# Altium PCB LPC4357_SDRAM_v0.2.PcbDoc (part 1 of 3) (continued)
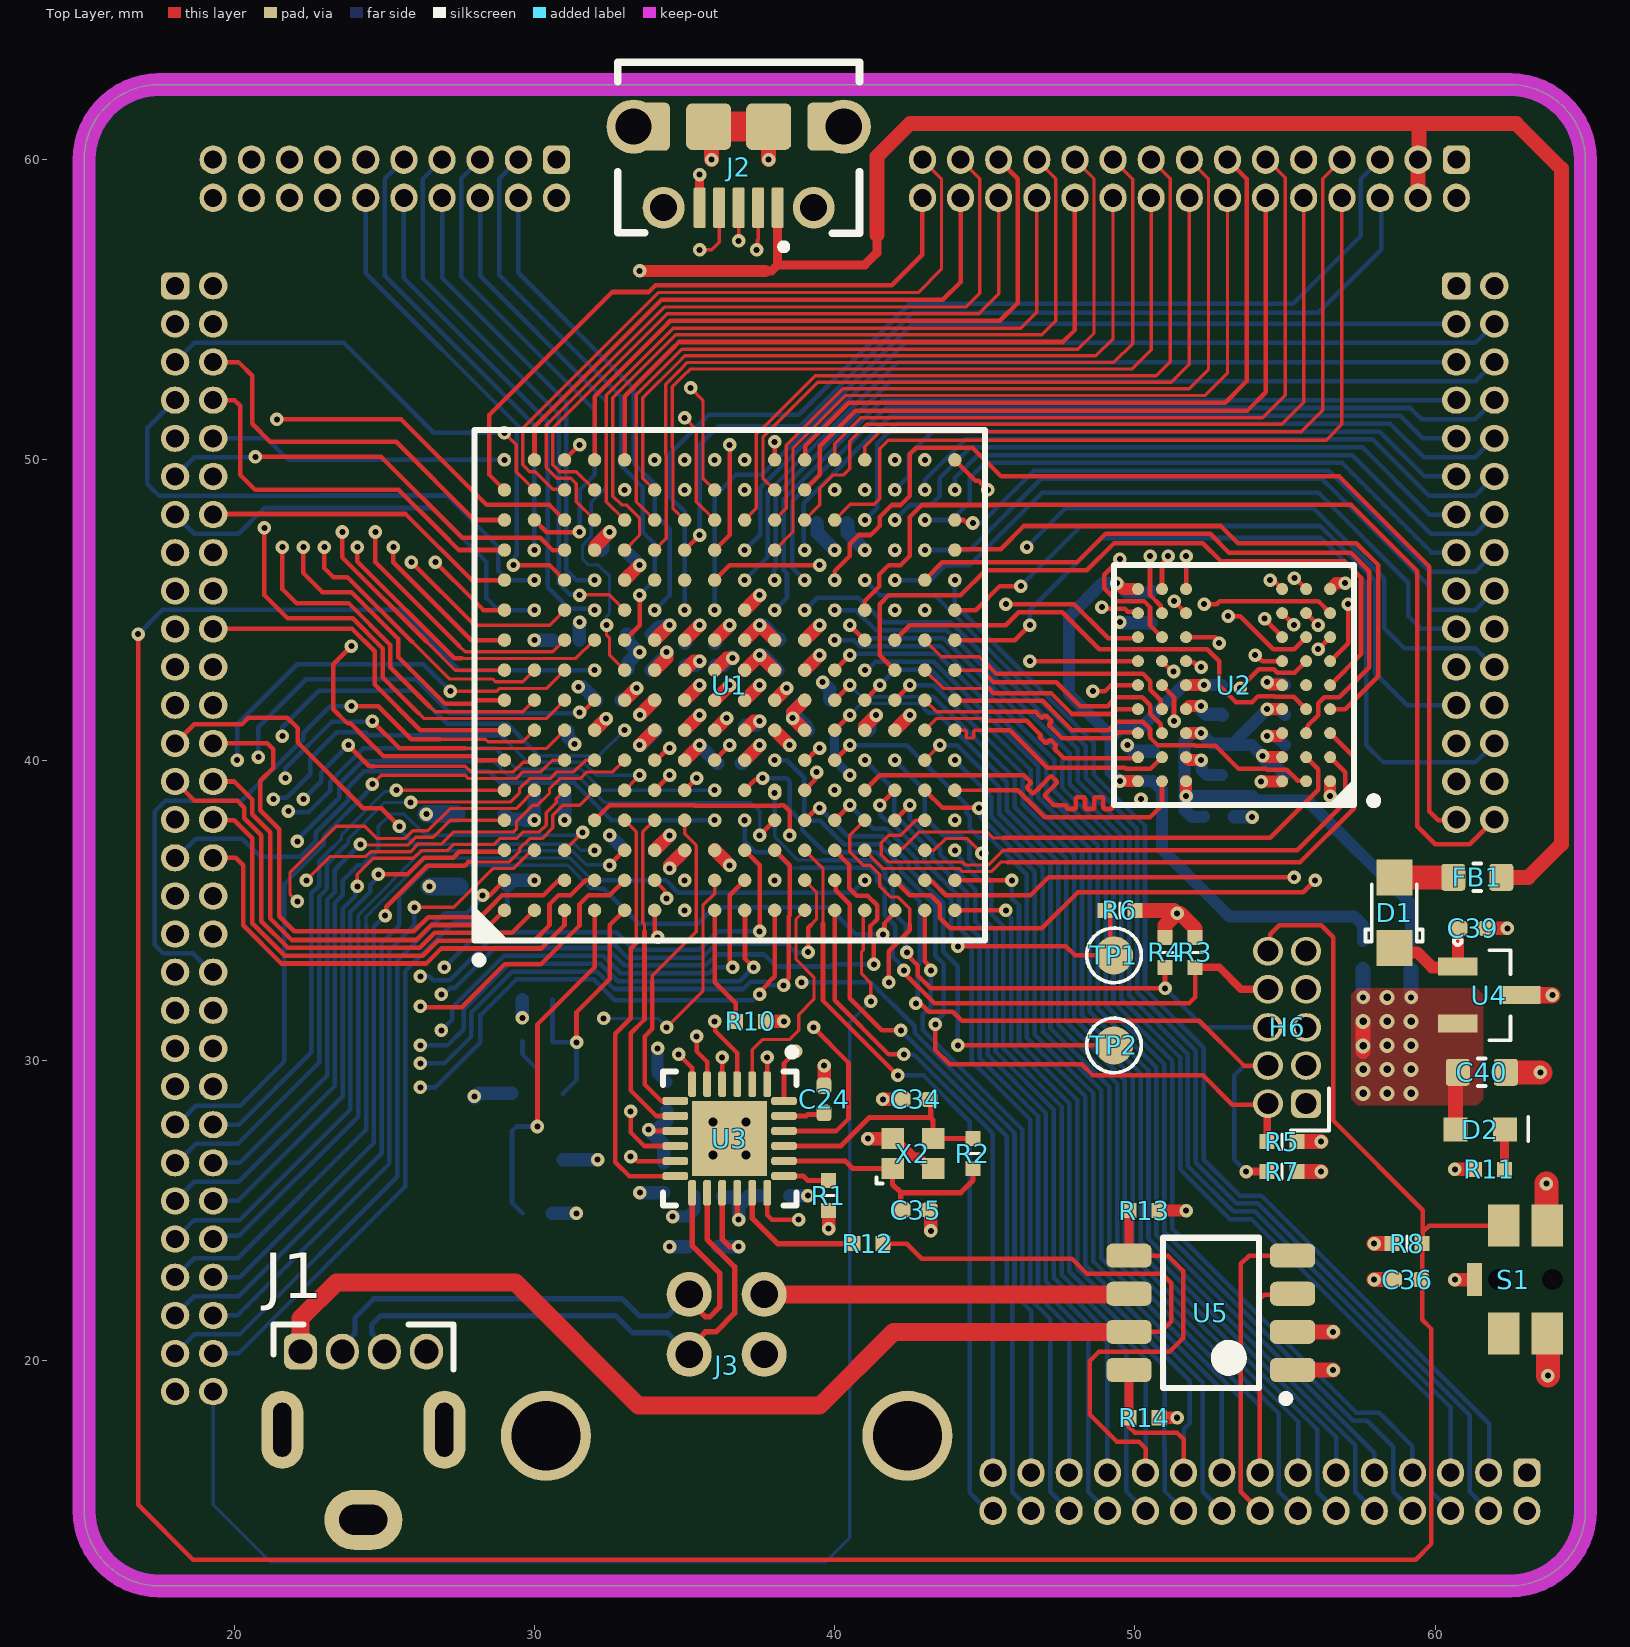
[diagram p0: Top Layer view]
## Components (designator, comment, footprint, x,y, rotation, side; value= is the part's Value field where it differs from the comment)
C1 "100n" C_0402_N 41.5,41 r0 bottom
C2 "100n" C_0402_N 32.6,47 r180 bottom
C3 "100n" C_0402_N 31.5,41 r180 bottom
C4 "100n" C_0402_N 39.9,47.9 r180 bottom
C5 "100n" C_0402_N 34.5,42 r0 bottom
C6 "100n" C_0402_N 34.5,41 r0 bottom
C7 "100n" C_0402_N 33.511,37 r180 bottom
C8 "100n" C_0402_N 35,43.5 r270 bottom
C9 "100n" C_0402_N 36,43.5 r270 bottom
C10 "100n" C_0402_N 35.5,37 r0 bottom
C11 "100n" C_0402_N 38.5,44 r180 bottom
C12 "100n" C_0402_N 38.5,43 r180 bottom
C13 "100n" C_0402_N 37,41.5 r90 bottom
C14 "100n" C_0402_N 38,41.5 r90 bottom
C15 "100n" C_0402_N 36.5,39.9 r180 bottom
C16 "100n" C_0402_N 33.5,43 r180 bottom
C17 "100n" C_0402_N 32.5,42 r180 bottom
C18 "100n" C_0402_N 39.5,42 r0 bottom
C19 "100n" C_0402_N 39.5,41 r0 bottom
C20 "100n" C_0402_N 33.5,44.2 r180 bottom
C21 "100n" C_0402_N 31.1,44 r0 bottom
C22 "100n" C_0402_N 30.5,38.8 r0 bottom
C23 "100n" C_0402_N 38,25.5 r0 bottom
C24 "1u" C_0402_N 39.643,28.7 r90 top
C25 "1u" C_0402_N 35.6,23.8 r180 bottom
C26 "100n" C_0402_N 34.3,26.1 r270 bottom
C27 "100n" C_0402_N 52.9,42 r270 bottom
C28 "100n" C_0402_N 52.9,40 r270 bottom
C29 "100n" C_0402_N 55,42 r90 bottom
C30 "100n" C_0402_N 55,40 r90 bottom
C31 "100n" C_0402_N 52.8,38.119 r0 bottom
C32 "100n" C_0402_N 50.6,39.8 r90 bottom
C33 "100n" C_0402_N 50.5,45.084 r270 bottom
C34 "18p" C_0402_N 42.703,28.7 r180 top
C35 "18p" C_0402_N 42.703,25.019 r0 top
C36 "100n" C_0402_N 59.065,22.7 r180 top
C37 "18p" C_0402_N 30.1,32.019 r180 bottom
C38 "18p" C_0402_N 30.1,24.911 r0 bottom
C39 "1u" C_0402_N 61.25,34.4 r0 top
C40 "10u" 0603x55 61.55,29.605 r0 top
D1 "PMEG2015EH" SOD123F 58.644,34.925 r90 top
D2 "0603 Green" D_0603 61.5,27.7 r0 top
FB1 "120R" L_0603 61.4,36.1 r180 top
FB2 "120R" L_0603 28.2,38.2 r0 bottom
FB3 "120R" L_0603 28.3,35.8 r0 bottom
FB4 "300R" FB_0402-NIC 59.2,33.5 r270 bottom
FB5 "300R" FB_0402-NIC 57.6,33.5 r270 bottom
FB6 "300R" FB_0402-NIC 35.8,25.5 r0 bottom
FB7 "300R" FB_0402-NIC 34.4,28.8 r270 bottom
H1 "2x30" HDR_2x30_1.27mm 18.03,55.8 r270 bottom locked
H2 "2x10" HDR_2x10_1.27mm 30.73,60 r180 bottom locked
H3 "2x15" HDR_2x15_1.27mm 60.7,60 r180 bottom locked
H4 "2x15" HDR_2x15_1.27mm 60.7,55.8 r270 bottom locked
H5 "2x15" HDR_2x15_1.27mm 63.05,16.27 r180 bottom
H6 "JTAG" JTAG_FTSH-105-01-XXX-D-K 55.065,31.1 r90 top
J1 "Type A" USB_A_F_SIDE_REVERSE_TH 24.3,14.7 r0 top locked
J2 "micro USB B" 10118194 36.8,61.1 r180 top
J3 "USB 2.0 B" USB_B_F_RA_TH 36.4,17.5 r0 top
R1 "8.06k" R_0402-N 39.8,25.5 r90 top value=8k06
R2 "1M" R_0402-N 44.603,26.9 r90 top value=33
R3 "10k0" R_0402-N 52,33.6 r90 top value=10k
R4 "10k0" R_0402-N 51,33.6 r90 top value=10k
R5 "10k0" R_0402-N 54.9,27.3 r0 top value=10k
R6 "10k0" R_0402-N 49.5,35 r0 top value=10k
R7 "10k0" R_0402-N 54.9,26.3 r180 top value=10k
R8 "10k0" R_0402-N 59.065,23.9 r180 top value=10k
R9 "1M" R_0402-N 30.1,30.63 r0 bottom value=33
R10 "12k0" R_0402-N 37.2,31.3 r180 top value=12k
R11 "8.06k" R_0402-N 61.8,26.373 r0 top value=8k06
R12 "20k0" R_0402-N 41.1,23.9 r180 top value=20k
R13 "10k0" R_0402-N 50.3,25 r0 top value=10k
R14 "10k0" R_0402-N 50.3,18.1 r0 top value=10k
S1 "PTS840" SW_PTS840 63,22.7 r90 top
TP1 "TP_60mil-pad" TP-R50 49.3,33.5 r0 top
TP2 "TP_60mil-pad" TP-R50 49.3,30.5 r0 top
U1 "LPC4357JET256,551" NXP-SOT740-2 36.5,42.5 r90 top locked
U2 "MT48LC16M16A2F4" VFBGA54_8x8 53.3,42.5 r180 top
U3 "USB3343-CP-TR" MCHP-QFN-24_A_V 36.5,27.4 r270 top
U4 "AP7333-33SAG-7" SOT23_N 61.8,32.174 r0 top
U5 "AP2192A" soic_8 52.525,21.595 r180 top
X1 "13MHz" XTAL_3.2mmx2.5mm 30.1,27.8 r90 bottom
X2 "26MHz" XTAL_2.0mmx1.6mm 42.6,26.9 r0 top

## Footprints (in the part's own frame and the unit in brackets; to place one, negate y for a bottom-side part, rotate by r counter-clockwise, add the part's x,y. Pads: shape width x height; smd on the part's side, far side on the other; paste and mask are expansions set on the pad)
0603x55 [mm] "Capacitor 0603"
  rrect26% 0.8x0.9 smd mask+0.051: 1(-0.8,0) 2(0.8,0)
  silkscreen extent -0.13,-0.46 0.13,0.46, body extent -0.8,-0.4 0.8,0.4, height 0.81
10118194 [mm] "FCI Micro USB B"
  rrect26% 0.4x1.35 smd mask+0: 1(-1.3,2.7) 2(-0.65,2.7) 3(0,2.7) 4(0.65,2.7) 5(1.3,2.7)
  round 1.8 hole 1.2 mask+0: MH(-3.5,0) MH(3.5,0)
  rrect26% 1.3x1.6 smd mask+0: MH(-2.941,0) MH(2.941,0)
  round 1.397 hole 0.9 mask+0: MH(-2.5,2.7) MH(2.5,2.7)
  rrect26% 1.5x1.55 smd mask+0: MH(-1,0) MH(1,0)
  silkscreen extent -4.03,-2.15 4.03,4.09, body extent -4,-2.82 4,2.7, height 3
C_0402_N [mm] "Chip Capacitor, 2-Leads, Body 1.00x0.50mm, IPC High Density"
  rrect50% 0.55x0.5 smd: 1(-0.45,0) 2(0.45,0)
  body extent -0.5,-0.25 0.5,0.25, height 0.55
D_0603 [mm] "0603, 1.6 x 0.8mm, LED"
  rect 0.8x0.8 smd: 1(-0.825,0) 2(0.825,0)
  silkscreen extent 1.6,-0.38 1.6,0.42, body extent -0.81,-0.4 0.81,0.4, height 0.6
FB_0402-NIC [mm] "Chip Inductor, 2-Leads, Body 1.00x0.50mm, IPC High Density"
  rrect41% 0.5x0.55 smd mask+0.051: 1(-0.475,0) 2(0.475,0)
  body extent -0.5,-0.25 0.5,0.25, height 0.5
HDR_2x10_1.27mm [mm] "LCSC 2x10 TH Female Header, 1.27mm pitch"
  rrect50% 0.9x0.95 hole 0.6: 1(0,0)
  oval 0.9x0.95 hole 0.6: 2(0,-1.27) 3(1.27,0) 4(1.27,-1.27) 5(2.54,0) 6(2.54,-1.27) 7(3.81,0) 8(3.81,-1.27) 9(5.08,0) 10(5.08,-1.27) 11(6.35,0) 12(6.35,-1.27) 13(7.62,0) 14(7.62,-1.27) 15(8.89,0) 16(8.89,-1.27) 17(10.16,0) 18(10.16,-1.27) 19(11.43,0) 20(11.43,-1.27)
  silkscreen extent -1,0 0,1, body extent -0.83,-2.13 12.26,0.87, height 4.3
HDR_2x15_1.27mm [mm] "LCSC 2x15 TH Female Header, 1.27mm pitch"
  rrect50% 0.9x0.95 hole 0.6: 1(0,0)
  oval 0.9x0.95 hole 0.6: 2(0,-1.27) 3(1.27,0) 4(1.27,-1.27) 5(2.54,0) 6(2.54,-1.27) 7(3.81,0) 8(3.81,-1.27) 9(5.08,0) 10(5.08,-1.27) 11(6.35,0) 12(6.35,-1.27) 13(7.62,0) 14(7.62,-1.27) 15(8.89,0) 16(8.89,-1.27) 17(10.16,0) 18(10.16,-1.27) 19(11.43,0) 20(11.43,-1.27) 21(12.7,0) 22(12.7,-1.27) 23(13.97,0) 24(13.97,-1.27) 25(15.24,0) 26(15.24,-1.27) 27(16.51,0) 28(16.51,-1.27) 29(17.78,0) 30(17.78,-1.27)
  silkscreen extent -1,0 0,1, body extent -0.83,-2.13 18.61,0.87, height 4.3
HDR_2x30_1.27mm [mm] "LCSC 2x30 TH Female Header, 1.27mm pitch"
  rrect50% 0.9x0.95 hole 0.6: 1(0,0)
  oval 0.9x0.95 hole 0.6: 2(0,-1.27) 3(1.27,0) 4(1.27,-1.27) 5(2.54,0) 6(2.54,-1.27) 7(3.81,0) 8(3.81,-1.27) 9(5.08,0) 10(5.08,-1.27) 11(6.35,0) 12(6.35,-1.27) 13(7.62,0) 14(7.62,-1.27) 15(8.89,0) 16(8.89,-1.27) 17(10.16,0) 18(10.16,-1.27) 19(11.43,0) 20(11.43,-1.27) 21(12.7,0) 22(12.7,-1.27) 23(13.97,0) 24(13.97,-1.27) 25(15.24,0) 26(15.24,-1.27) 27(16.51,0) 28(16.51,-1.27) 29(17.78,0) 30(17.78,-1.27) 31(19.05,0) 32(19.05,-1.27) 33(20.32,0) 34(20.32,-1.27) 35(21.59,0) 36(21.59,-1.27) 37(22.86,0) 38(22.86,-1.27) 39(24.13,0) 40(24.13,-1.27) 41(25.4,0) 42(25.4,-1.27) 43(26.67,0) 44(26.67,-1.27) 45(27.94,0) 46(27.94,-1.27) 47(29.21,0) 48(29.21,-1.27) 49(30.48,0) 50(30.48,-1.27) 51(31.75,0) 52(31.75,-1.27) 53(33.02,0) 54(33.02,-1.27) 55(34.29,0) 56(34.29,-1.27) 57(35.56,0) 58(35.56,-1.27) 59(36.83,0) 60(36.83,-1.27)
  silkscreen extent -1,0 0,1, body extent -0.83,-2.13 37.66,0.87, height 4.3
JTAG_FTSH-105-01-XXX-D-K [mm] "ARM JTAG, Samtec FTSH-105-01-D-K"
  rrect50% 0.95x1 hole 0.7 mask+0.07: 1(-2.54,-0.635)
  oval 0.95x1 hole 0.7 mask+0.07: 2(-2.54,0.635) 3(-1.27,-0.635) 4(-1.27,0.635) 5(0,-0.635) 6(0,0.635) 7(1.27,-0.635) 8(1.27,0.635) 9(2.54,-0.635) 10(2.54,0.635)
  silkscreen extent -3.43,-1.4 -2.03,-0.13, body extent -3.17,-2.54 3.18,2.54, height 5.71
L_0603 [mm] "Inductior 0603"
  rrect26% 0.8x0.9 smd mask+0.051: 1(-0.8,0) 2(0.8,0)
  silkscreen extent -0.13,-0.46 0.13,0.46, body extent -0.8,-0.4 0.8,0.4, height 0.79
MCHP-QFN-24_A_V [mm]
  rrect50% 0.85x0.26 smd mask+0.065: 1(-1.81,1.25) 2(-1.81,0.75) 3(-1.81,0.25) 4(-1.81,-0.25) 5(-1.81,-0.75) 6(-1.81,-1.25) 13(1.81,-1.25) 14(1.81,-0.75) 15(1.81,-0.25) 16(1.81,0.25) 17(1.81,0.75) 18(1.81,1.25)
  rrect50% 0.26x0.85 smd mask+0.065: 7(-1.25,-1.81) 8(-0.75,-1.81) 9(-0.25,-1.81) 10(0.25,-1.81) 11(0.75,-1.81) 12(1.25,-1.81) 19(1.25,1.81) 20(0.75,1.81) 21(0.25,1.81) 22(-0.25,1.81) 23(-0.75,1.81) 24(-1.25,1.81)
  rect 2.5x2.5 smd paste-10 mask+0.07: 25(0,0)
  Top Layer region: 1.25,1.25 0.75,1.25 0.75,0.75 1.25,0.75
  silkscreen extent -3,-2.23 2.23,2.22, body extent -2.07,-2.07 2.07,2.07, height 1.4
NXP-SOT740-2 [mm]
  round 0.45 smd mask+0.075: A1(-7.5,7.5) A2(-6.5,7.5) A3(-5.5,7.5) A4(-4.5,7.5) A5(-3.5,7.5) A6(-2.5,7.5) A7(-1.5,7.5) A8(-0.5,7.5) A9(0.5,7.5) A10(1.5,7.5) A11(2.5,7.5) A12(3.5,7.5) A13(4.5,7.5) A14(5.5,7.5) A15(6.5,7.5) A16(7.5,7.5) B1(-7.5,6.5) B2(-6.5,6.5) B3(-5.5,6.5) B4(-4.5,6.5) B5(-3.5,6.5) B6(-2.5,6.5) B7(-1.5,6.5) B8(-0.5,6.5) B9(0.5,6.5) B10(1.5,6.5) B11(2.5,6.5) B12(3.5,6.5) B13(4.5,6.5) B14(5.5,6.5) B15(6.5,6.5) B16(7.5,6.5) C1(-7.5,5.5) C2(-6.5,5.5) C3(-5.5,5.5) C4(-4.5,5.5) C5(-3.5,5.5) C6(-2.5,5.5) C7(-1.5,5.5) C8(-0.5,5.5) C9(0.5,5.5) C10(1.5,5.5) C11(2.5,5.5) C12(3.5,5.5) C13(4.5,5.5) C14(5.5,5.5) C15(6.5,5.5) C16(7.5,5.5) D1(-7.5,4.5) D2(-6.5,4.5) D3(-5.5,4.5) D4(-4.5,4.5) D5(-3.5,4.5) D6(-2.5,4.5) D7(-1.5,4.5) D8(-0.5,4.5) D9(0.5,4.5) D10(1.5,4.5) D11(2.5,4.5) D12(3.5,4.5) D13(4.5,4.5) D14(5.5,4.5) D15(6.5,4.5) D16(7.5,4.5) E1(-7.5,3.5) E2(-6.5,3.5) E3(-5.5,3.5) E4(-4.5,3.5) E5(-3.5,3.5) E6(-2.5,3.5) E7(-1.5,3.5) E8(-0.5,3.5) E9(0.5,3.5) E10(1.5,3.5) E11(2.5,3.5) E12(3.5,3.5) E13(4.5,3.5) E14(5.5,3.5) E15(6.5,3.5) E16(7.5,3.5) F1(-7.5,2.5) F2(-6.5,2.5) F3(-5.5,2.5) F4(-4.5,2.5) F5(-3.5,2.5) F6(-2.5,2.5) F7(-1.5,2.5) F8(-0.5,2.5) F9(0.5,2.5) F10(1.5,2.5) F11(2.5,2.5) F12(3.5,2.5) F13(4.5,2.5) F14(5.5,2.5) F15(6.5,2.5) F16(7.5,2.5) G1(-7.5,1.5) G2(-6.5,1.5) G3(-5.5,1.5) G4(-4.5,1.5) G5(-3.5,1.5) G6(-2.5,1.5) G7(-1.5,1.5) G8(-0.5,1.5) G9(0.5,1.5) G10(1.5,1.5) G11(2.5,1.5) G12(3.5,1.5) G13(4.5,1.5) G14(5.5,1.5) G15(6.5,1.5) G16(7.5,1.5) H1(-7.5,0.5) H2(-6.5,0.5) H3(-5.5,0.5) H4(-4.5,0.5) H5(-3.5,0.5) H6(-2.5,0.5) H7(-1.5,0.5) H8(-0.5,0.5) H9(0.5,0.5) H10(1.5,0.5) H11(2.5,0.5) H12(3.5,0.5) H13(4.5,0.5) H14(5.5,0.5) H15(6.5,0.5) H16(7.5,0.5) J1(-7.5,-0.5) J2(-6.5,-0.5) J3(-5.5,-0.5) J4(-4.5,-0.5) J5(-3.5,-0.5) J6(-2.5,-0.5) J7(-1.5,-0.5) J8(-0.5,-0.5) J9(0.5,-0.5) J10(1.5,-0.5) J11(2.5,-0.5) J12(3.5,-0.5) J13(4.5,-0.5) J14(5.5,-0.5) J15(6.5,-0.5) J16(7.5,-0.5) K1(-7.5,-1.5) K2(-6.5,-1.5) K3(-5.5,-1.5) K4(-4.5,-1.5) K5(-3.5,-1.5) K6(-2.5,-1.5) K7(-1.5,-1.5) K8(-0.5,-1.5) K9(0.5,-1.5) K10(1.5,-1.5) K11(2.5,-1.5) K12(3.5,-1.5) K13(4.5,-1.5) K14(5.5,-1.5) K15(6.5,-1.5) K16(7.5,-1.5) L1(-7.5,-2.5) L2(-6.5,-2.5) L3(-5.5,-2.5) L4(-4.5,-2.5) L5(-3.5,-2.5) L6(-2.5,-2.5) L7(-1.5,-2.5) L8(-0.5,-2.5) L9(0.5,-2.5) L10(1.5,-2.5) L11(2.5,-2.5) L12(3.5,-2.5) L13(4.5,-2.5) L14(5.5,-2.5) L15(6.5,-2.5) L16(7.5,-2.5) M1(-7.5,-3.5) M2(-6.5,-3.5) M3(-5.5,-3.5) M4(-4.5,-3.5) M5(-3.5,-3.5) M6(-2.5,-3.5) M7(-1.5,-3.5) M8(-0.5,-3.5) M9(0.5,-3.5) M10(1.5,-3.5) M11(2.5,-3.5) M12(3.5,-3.5) M13(4.5,-3.5) M14(5.5,-3.5) M15(6.5,-3.5) M16(7.5,-3.5) N1(-7.5,-4.5) N2(-6.5,-4.5) N3(-5.5,-4.5) N4(-4.5,-4.5) N5(-3.5,-4.5) N6(-2.5,-4.5) N7(-1.5,-4.5) N8(-0.5,-4.5) N9(0.5,-4.5) N10(1.5,-4.5) N11(2.5,-4.5) N12(3.5,-4.5) N13(4.5,-4.5) N14(5.5,-4.5) N15(6.5,-4.5) N16(7.5,-4.5) P1(-7.5,-5.5) P2(-6.5,-5.5) P3(-5.5,-5.5) P4(-4.5,-5.5) P5(-3.5,-5.5) P6(-2.5,-5.5) P7(-1.5,-5.5) P8(-0.5,-5.5) P9(0.5,-5.5) P10(1.5,-5.5) P11(2.5,-5.5) P12(3.5,-5.5) P13(4.5,-5.5) P14(5.5,-5.5) P15(6.5,-5.5) P16(7.5,-5.5) R1(-7.5,-6.5) R2(-6.5,-6.5) R3(-5.5,-6.5) R4(-4.5,-6.5) R5(-3.5,-6.5) R6(-2.5,-6.5) R7(-1.5,-6.5) R8(-0.5,-6.5) R9(0.5,-6.5) R10(1.5,-6.5) R11(2.5,-6.5) R12(3.5,-6.5) R13(4.5,-6.5) R14(5.5,-6.5) R15(6.5,-6.5) R16(7.5,-6.5) T1(-7.5,-7.5) T2(-6.5,-7.5) T3(-5.5,-7.5) T4(-4.5,-7.5) T5(-3.5,-7.5) T6(-2.5,-7.5) T7(-1.5,-7.5) T8(-0.5,-7.5) T9(0.5,-7.5) T10(1.5,-7.5) T11(2.5,-7.5) T12(3.5,-7.5) T13(4.5,-7.5) T14(5.5,-7.5) T15(6.5,-7.5) T16(7.5,-7.5)
  silkscreen extent -9.27,-8.5 8.5,8.5, body extent -8.5,-8.5 8.5,8.5, height 1.5
R_0402-N [mm] "Chip Resistor, 2-Leads, Body 1.00x0.50mm, IPC High Density"
  rect 0.5x0.5 smd: 1(-0.5,0) 2(0.5,0)
  silkscreen extent 0,-0.26 0,0.24, body extent -0.5,-0.26 0.5,0.24, height 0.36
SOD123F [mm] "SOD123F; 2 Leads; Body 2.6 x 1.6 mm, (LxW)"
  rect 1.2x1.2 smd paste+0.1: 1(1.175,0) 2(-1.175,0)
  silkscreen extent -0.96,-0.94 0.94,0.96, body extent -1.3,-0.66 1.3,0.69, height 1.1
soic_8 [mm] "SOIC, 8-Leads, Body 4.90x3.90mm, Pitch 1.27mm, IPC Medium Density"
  rrect50% 1.505x0.802 smd: 1(-2.725,1.905) 2(-2.725,0.635) 3(-2.725,-0.635) 4(-2.725,-1.905) 5(2.725,-1.905) 6(2.725,-0.635) 7(2.725,0.635) 8(2.725,1.905)
  silkscreen extent -2.62,-2.5 1.6,2.98, body extent -3.1,-2.5 3.1,2.5, height 1.7
SOT23_N [mm]
  rect 1.3x0.6 smd: 1(-1.05,0.95) 2(-1.05,-0.95) 3(1.05,0)
  silkscreen extent -1.18,-1.5 0.71,1.93, body extent -1.26,-1.46 1.22,1.46, height 1
SW_PTS840 [mm] "C&K PTS840 SMT Side Tactile Switch"
  rect 1.4x1.05 smd: 1(-1.8,0.725) 2(1.8,0.725) 3(-1.8,-0.725) 4(1.8,-0.725)
  rect 1.1x0.5 smd: 5(0,1.7)
  round 0 hole 0.7: 6(0,0.9) 7(0,-0.9)
  body extent -2.35,-2.1 2.35,1.45, height 1.36
TP-R50 [mm] "50mil test pad"
  round 1.27 smd: 1(0,0)
  silkscreen extent -0.91,-0.91 0.91,0.91, body extent -0.76,-0.76 0.76,0.76, height 0.25
USB_A_F_SIDE_REVERSE_TH [mm] "USB Type A Verticle Right Angle, LCSC C39452"
  rrect50% 1.1x1.2 hole 0.8 mask+0.095: 1(-2.1,5.6)
  oval 1.1x1.2 hole 0.8 mask+0.095: 2(-0.7,5.6) 3(0.7,5.6) 4(2.1,5.6)
  oval 1.4x2.6 hole 0.6 slot 1.8 at 90 deg: MH(-2.7,3) MH(2.7,3)
  oval 2.6x2 hole 1 slot 1.6 at 0 deg: MH(0,0)
  silkscreen extent -3,5 3,6.5, body extent -3.56,-5.74 3.56,6.36, height 13.85
USB_B_F_RA_TH [mm] "Based on Amphenol 61729-1011BLF"
  round 1.5 hole 0.92: 1(1.25,4.71) 2(-1.25,4.71) 3(-1.25,2.71) 4(1.25,2.71)
  round 3 hole 2.3: SH(-6.02,0) SH(6.02,0)
  body extent -6.56,-10.14 6.56,5.8, height 11
VFBGA54_8x8 [mm] "BGA, 54-Leads, Body 8.00x8.00mmx1.15mm, Pitch 0.80mm"
  round 0.4 smd mask+0.075: A1(-3.2,3.2) A2(-2.4,3.2) A3(-1.6,3.2) A7(1.6,3.2) A8(2.4,3.2) A9(3.2,3.2) B1(-3.2,2.4) B2(-2.4,2.4) B3(-1.6,2.4) B7(1.6,2.4) B8(2.4,2.4) B9(3.2,2.4) C1(-3.2,1.6) C2(-2.4,1.6) C3(-1.6,1.6) C7(1.6,1.6) C8(2.4,1.6) C9(3.2,1.6) D1(-3.2,0.8) D2(-2.4,0.8) D3(-1.6,0.8) D7(1.6,0.8) D8(2.4,0.8) D9(3.2,0.8) E1(-3.2,0) E2(-2.4,0) E3(-1.6,0) E7(1.6,0) E8(2.4,0) E9(3.2,0) F1(-3.2,-0.8) F2(-2.4,-0.8) F3(-1.6,-0.8) F7(1.6,-0.8) F8(2.4,-0.8) F9(3.2,-0.8) G1(-3.2,-1.6) G2(-2.4,-1.6) G3(-1.6,-1.6) G7(1.6,-1.6) G8(2.4,-1.6) G9(3.2,-1.6) H1(-3.2,-2.4) H2(-2.4,-2.4) H3(-1.6,-2.4) H7(1.6,-2.4) H8(2.4,-2.4) H9(3.2,-2.4) J1(-3.2,-3.2) J2(-2.4,-3.2) J3(-1.6,-3.2) J7(1.6,-3.2) J8(2.4,-3.2) J9(3.2,-3.2)
  silkscreen extent -4.78,-4 4,4, body extent -4,-4 4,4, height 1.1
XTAL_2.0mmx1.6mm [mm] "Crystal 2.0mm x 1.6mm"
  rect 0.75x0.7 smd mask+0.09: 1(-0.675,-0.5) 2(0.675,-0.5) 3(0.675,0.5) 4(-0.675,0.5)
  silkscreen extent -1.21,-1 -1,-0.79, body extent -1,-0.8 1,0.8, height 0.65
XTAL_3.2mmx2.5mm [mm] "Crystal 3.2mm x 2.5mm"
  rect 1.4x1.2 smd: 1(-1.1,-0.85) 2(1.1,-0.85) 3(1.1,0.85) 4(-1.1,0.85)
  silkscreen extent -2.01,-1.7 -1.1,-0.85, body extent -1.57,-1.31 1.63,1.19, height 1.05

## Part data
C1 C2 C3 C4 C5 C6 C7 C8 C9 C10 C11 C12 C13 C14 C15 C16 C17 C18 C19 C20 C21 C22 C23 C26 C27 C28 C29 C30 C31 C32 C33 C36: library part C_100n_16V_10_0402_NIC, "Cap, Chip, 100nF, 16V, +/-10%, X7R, 0402", Manufacturer=NIC, Manufacturer_No=NMC0402X7R104K16TRPF, Supplier Part Number 1=NMC0402X7R104K16TRPF-REEL, HelpURL=http://www.niccomp.com/catalog/nmc3.pdf, IOT=IOT-0301, PB-free=Yes, Supplier 1="Future Electronics"
C24 C25 C39: library part C_1u_10V_10_0402_NIC, "Cap, Chip, 1uF, 10V, 10%, X5R, 0402", Manufacturer=NIC, Manufacturer_No=NMC0402X5R105K10TRPF, Supplier Part Number 1=NMC0402X5R105K10TRPF-CUTT, Dist_No=NMC0402X5R105K10TRPF, Distributor=Avnet, HelpURL=http://www.niccomp.com/catalog/nmc2.pdf, IOT=IOT-, PB-free=Yes, Price=0.0056, Supplier 1="Future Electronics"
C34 C35 C37 C38: library part C_18p_25V_10_0402_NIC, "Cap, Chip, 18pF, 25V, 10%, NPO 0402", Manufacturer=NIC, Manufacturer_No=NMC0402NPO180J25TRPF, HelpURL=http://www.niccomp.com/catalog/nmc1.pdf, IOT=IOT-0056, PB-free=Yes
C40: library part C_10u_10V_10_0603_NIC, "Cap, Chip, 10uF, 10V, ± 15%, X5R, 0603", Manufacturer=NIC, Manufacturer_No=NMC0603X5R106K10TRPF, Dist_No=NMC0603X5R106K10TRPF, Distributor=NIC, HelpURL=http://www.niccomp.com/catalog/nmc1.pdf, IOT=IOT-0719, PB-free=Yes, Price=0.02
D1: library part D_PMEG2015EH_20V_1A5_SOT123F, "Diode, Schottky Rectifier, 20V, 1.5A, SOT123F", Manufacturer="NXP Semiconductors", Manufacturer_No="PMEG2015EH T/R", Voltage=20V, Dist_No=568-4116-1-ND, Distributor=DIGIKEY, HelpURL=http://www.nxp.com/acrobat_download/datasheets/PMEG2015EH_EJ_2.pdf, PB-free=Yes, Price=0.46000
D2: library part D_LED-0603_LTST-C190KGKT, "0603 LED, Green", Manufacturer=Lite-on, Manufacturer_No=LTST-C190KGKT, Supplier Part Number 1=160-1435-1-ND, Dist_No=LTST-C190KGKT, Distributor=Avnet, HelpURL=http://optoelectronics.liteon.com/upload/download/DS22-2000-074/S_110_LTST-C190KGKT.pdf, IOT=IOT-0171, PB-free=Yes, Price=0.0376, Supplier 1=Digi-Key
FB1 FB2 FB3: library part FB_120R_0603_NIC, "Ferrite bead,120 ohm@100MHz,0.30 ohm @DC, 500mA, 0603", Manufacturer=NIC, Manufacturer_No=NCB0603R121TR060F, HelpURL=http://www.niccomp.com/catalog/ncb.pdf, IOT=IOT-0083
FB4 FB5 FB6 FB7: library part FB_300R_0402_NIC, "Ferrite bead,300 ohm@100MHz,0.15 ohm @DC, 1A, 0402", Manufacturer=NIC, Manufacturer_No=NCB-H0402P301TR100F, Supplier Part Number 1=490-5256-2-ND, Dist_No=NCB-H0402P301TR100F, Distributor=NIC, HelpURL=http://www.niccomp.com/catalog/ncbh.pdf, IOT=IOT-0720, Price=0.01, Supplier 1=Digi-Key
H1: library part JP_2x30_1.27mm, "CONN, Header, 2x30, TH, 1.27mm", Manufacturer="Shenzhen Cankemeng", Manufacturer_No=220-1S-2*30, ComponentLink1Description=Datasheet, ComponentLink1URL=https://datasheet.lcsc.com/szlcsc/Shenzhen-Cankemeng-Female-header-2-30P-1-27mm-Straight-line_C124402.pdf, Dist_No=C124402, Distributor=LCSC, HelpURL=https://lcsc.com/product-detail/Pin-Header-Female-Header_Shenzhen-Cankemeng-Female-header-2-30P-1-27mm-Straight-line_C124402.html, PB-free=Yes, Price=0.32
H2: library part JP_2x10_1.27mm, "CONN, Header, 2x10, TH, 1.27mm", PB-free=Yes, Price=0.32
H3 H4 H5: library part JP_2x15_1.27mm, "CONN, Header, 2x15, TH, 1.27mm", ComponentLink1Description=Datasheet, ComponentLink1URL=https://datasheet.lcsc.com/szlcsc/Shenzhen-Cankemeng-Female-header-2-30P-1-27mm-Straight-line_C124402.pdf, Distributor=LCSC, PB-free=Yes, Price=0.32
H6: library part JP_JTAG-FTSH_1.27, "CONN, Header 2x5, TH, 1.27mm", Manufacturer=Samtec, Manufacturer_No=FTSH-105-01-L-D-K, Dist_No=FTSH-105-01-L-D-K, Distributor=Heilind, PB-free=Yes, Price=$2.00
J1: library part J_USB_A_Rotate_Reverse_TH, "USB, Type A, Side Insert, Revese PinoutRA", Manufacturer="Jing Extension", Manufacturer_No=C39452, ComponentLink1Description="Info Page", ComponentLink1URL=https://lcsc.com/product-detail/USB-Connectors_Jing-Extension-of-the-Electronic-Co-LCSC-AF-10-0-Side-insert-3-Have-side-iron-Reverse-PBT-White-plastic-Thicker_C39452.html, Dist_No=C39452, Distributor=LCSC, HelpURL=https://datasheet.lcsc.com/szlcsc/Jing-Extension-of-the-Electronic-Co-LCSC-AF-10-0-Side-insert-3-Have-side-iron-Reverse-PBT-White-plastic-Thicker_C39452.pdf, PB-free=Yes, Price=0.05
J2: library part J_microUSB_B_SMD-FCI, "CONN RECEPT MICRO USB RA 5POS SMD", Manufacturer=FCI, Manufacturer_No=10118194
J3: library part J_USB_B_2.0_RA, "CONN RCPT USB 2.0 TYPE B R/A 4PS", Manufacturer=FCI, Manufacturer_No=61729-1011BLF, Dist_No=61729-1011BLF, Distributor=Avnet, HelpURL=http://portal.fciconnect.com/Comergent/fci/drawing/61729.pdf, IOT=IOT-0319, PB-free=Yes, Price=0.34, Supplier 2=Digi-Key
R1 R11: library part "Res Semi", "Resistor 8.06 kOhm, 1%, 0.1W, 0402"
R2 R9: library part "Res Semi", "Semiconductor Resistor"
R3 R4 R5 R6 R7 R8 R13 R14: library part R_10k0_60mW_1_0402_NIC, "Resistor, 10.0 kO, 1%, 0.06W, 0402", Manufacturer=NIC, Manufacturer_No=NRC04F1002TRF, HelpURL=http://www.niccomp.com/catalog/nrc.pdf, IOT=IOT-0100
R10: library part R_12k0_60mW_1_0402_NIC, "Resistor 12.0 kO, 1%, 0.06W, 0402", Manufacturer=NIC, Manufacturer_No=NRC04F1202TRF, HelpURL=http://www.niccomp.com/catalog/nrc.pdf, IOT=IOT-0101
R12: library part R_20k0_100mW_1_0603_NIC, "Resistor 20 kOhm, 1%, 0.1W, 0603", Manufacturer=NIC, Manufacturer_No=NRC06F2002TRF, HelpURL=http://www.niccomp.com/catalog/nrc.pdf, PB-free=Yes, Price=0.0009
S1: library part SW_PTS840_RA_SMT, "SWITCH SPST RA, 50mA, 24V, SMT", Manufacturer=C&K, Manufacturer_No="PTS840 GKP SMTR LFS", Dist_No="PTS840 GKP SMTR LFS", Distributor=Heilind, HelpURL=http://www.ckswitches.com/media/1477/pts840.pdf, PB-free=Yes, Price=0.19
TP1 TP2: library part TP_50mil-pad, "SMD test pin"
U1: library part U_LPC4357JET256_BGA256, "32-bit ARM Cortex-M4 / M0 Microcontroller, 164 I/O, 1024 KB Flash, 136 KB SRAM, -40 to 105 degC, 256-Ball LBGA, Tray, RoHS", Manufacturer="NXP Semiconductors", PartNumber=LPC4357JET256, CAN=2, Clock Speed="204 MHz max.", Code_JEDEC=MO-192, ComponentLink1Description="Manufacturer URL", ComponentLink1URL=www.nxp.com, ComponentLink2Description=Datasheet, ComponentLink2URL=http://www.nxp.com/documents/data_sheet/LPC435X_3X_2X_1X.pdf, ComponentLink3Description="Package Specification", ComponentLink3URL=http://www.nxp.com/documents/outline_drawing/sot740-2_po.pdf, Core=Cortex-M4, DatasheetVersion="Rev. 5", Ethernet=1, Flash="1024 KB", LCD=1, Manufacturer 1="NXP Semiconductors", Manufacturer Part Number 1=LPC4357JET256,551, Mounting Technology="Surface Mount", PackageDescription="256-Ball Plastic Low Profile Ball Grid Array Package, Body 17 x 17 mm, Pitch 1 mm", PackageVersion="05-08-04, 08/2005", Packing=Tray, RAM="136 KB", USB=2
U2: library part U_MT48LC16M16A2F4_VFBGA54, "256Mb PC133 SDR SDRAM, 16Mb x 16, 7.5ns, 3.3V, 0 to 70 degC, 54-Ball VFBGA, Pb-Free", Manufacturer=Micron, Manufacturer 1="Micron Technology", Manufacturer Part Number 1=MT48LC16M16A2BG-75, Op. Temp.="0C to +70C", Voltage=3.3V, CL="CL = 3", Clock Rate="133 MHz", ComponentLink1Description="Manufacturer URL", ComponentLink1URL=http://www.micron.com/, ComponentLink2Description=Datasheet, ComponentLink2URL=http://www.micron.com/~/media/Documents/Products/Data%20Sheet/DRAM/256Mb_sdr.pdf, ComponentLink3Description="Package Specification", ComponentLink3URL=http://www.micron.com/~/media/Documents/Products/Data%20Sheet/DRAM/256Mb_sdr.pdf, Cycle Time=7.5ns, Data Rate=PC133, DatasheetVersion=Rev.Q, Density=256Mb, Depth=16Mb, Mounting Technology="Surface Mount", PackageDescription="54-Ball Fine-Pitch Ball Grid Array, 14 x 8 mm, Pitch 0.8 mm", PackageReference=MICT-BG-54, PackageVersion=Rev.D, PartNumber=MT48LC16M16A2BG-75, RoHS=Yes, Width=x16
U3: library part U_USB3343_QFN24, "Enhanced Single Supply Hi-Speed USB ULPI Transceiver, 1.8 to 3.3 V, -40 to 85 degC, 24-Pin QFN, RoHS, Tape and Reel", Dual Supply Voltage (Max)=NotRequiredV, Manufacturer=Microchip, Operating Supply Voltage (Max)=3.3V, Operating Supply Voltage (Min)=1.8V, Operating Supply Voltage (Typ)=2.5V, Operating Temperature (Max)=85C, Operating Temperature (Min)=-40C, Operating Temperature Classification=Industrial, Package Description="24-Pin Quad Flat No-lead Package, Body 4 x 4 mm, Pitch 0.5 mm, Thermal Pad 2.5x2.5mm", Package Reference=QFN-24, Package Type=QFNEP, Power Supply Requirement=Single, Datasheet URL=http://ww1.microchip.com/downloads/en/DeviceDoc/334x.pdf, Datasheet Version="Rev. 1.2, 02/2013", Dual Supply Voltage (Min)=NotRequiredV, Dual Supply Voltage (Typ)=NotRequiredV, ESD Protection=Yes, Manufacturer Part Number=USB3343-CP-TR, Manufacturer URL=http://www.microchip.com/, Mounting=SurfaceMount, Mounting Technology=SurfaceMount, Number of Transceivers=1, Packaging=TapeandReel, Pin Count=32, Rad Hardened=No
U4: library part U_AP7333-33SAG-7_SOT23-3, "IC, CONV DC/DC LDO 3.3V, 300mA, SOT23-3", Manufacturer=STMicroelectronics, Manufacturer_No=LD1117S33CTR, Supplier Part Number 1=497-1241-1-ND, ComponentLink1Description=Datasheet, ComponentLink1URL=https://www.diodes.com/assets/Datasheets/AP7333.pdf, Dist_No=497-1241-1-ND, Distributor=DIGIKEY, HelpURL=http://www.st.com/stonline/products/literature/ds/2572/ld1117xx.pdhttp://www.st.com/stonline/products/literature/ds/2572/ld1117xx.pdf, IOT=1039711.0, PB-free=Yes, Price=0.15, Supplier 1=Digi-Key, Supplier 2=Digi-Key, Supplier Part Number 2=497-1241-2-ND
U5: library part U_AP2192A_SOIC8, "IC, USB Dual Switch w/ 1.5A Current Limit, SOIC-8", Manufacturer="Diodes Inc", Manufacturer_No=AP2152SG-13, Supplier Part Number 1=AP2152SGDICT-ND, ComponentLink1Description=Datasheet, ComponentLink1URL=https://www.diodes.com/assets/Datasheets/AP2182A_92A.pdf, Supplier 1=Digi-Key
X1: library part X_13.000MHZ_18pF_3225, "X-tal, 13.000MHz, Cl=20pF, +-18ppm, 3225", Manufacturer="ABRACON Co", Manufacturer_No=ABM8G-13.000MHZ-B4Y-T, Supplier Part Number 1=535-10285-2-ND, Dist_No=ABM8G-13.000MHZ-B4Y-T, Distributor=Future, HelpURL=http://www.abracon.com/Resonators/ABM8G.pdf, PB-free=Yes, Price=0.462, Supplier 1=Digi-Key
X2: library part X_26.000MHZ_6pF_2016, "X-tal, 26.000MHz, Cl=6pF, +-18ppm, 2.0 x 1.6mm", Manufacturer=muRata, Manufacturer_No=XRCGB26M000F2P00R0, Supplier Part Number 1=490-9764-1-ND, ComponentLink1Description=Datasheet, ComponentLink1URL=https://www.murata.com/~/media/webrenewal/support/library/catalog/products/timingdevice/crystalu/p79e.ashx?la=en-us, Dist_No=XRCGB26M000F2P00R0, Distributor=Future, HelpURL=https://www.murata.com/~/media/webrenewal/support/library/catalog/products/timingdevice/crystalu/p79e.ashx?la=en-us, PB-free=Yes, Price=.24, Supplier 1=Digi-Key

## Via types
v1: diameter 0.45, hole 0.2, Top Layer to Bottom Layer, tented both sides, 257 vias
v2: diameter 0.45, hole 0.2, Top Layer to Bottom Layer, tented bottom, 71 vias
v3: diameter 0.5, hole 0.25, Top Layer to Bottom Layer, tented both sides, 13 vias
v4: diameter 0.5, hole 0.3, Top Layer to Bottom Layer, tented bottom, 4 vias
v5: diameter 0.45, hole 0.2, Top Layer to Bottom Layer, 1 vias

## Nets (pads, with @x,y where several pads share a name; then routed paths per layer and width w, separated by ;. In a path a pad name is that pad's centre, name@x,y a point inside that pad or via, vN(x,y) a via of type N, cw(c..) or ccw(c..) an arc to the next point about the centre after c; other vN are vias at no path point)
3V3: C1.1 C2.1 C3.1 C4.1 C5.1 C6.1 C7.1 C8.1 C9.1 C10.1 C11.1 C12.1 C13.1 C14.1 C15.1 C16.1 C17.1 C18.1 C19.1 C20.1 C21.1 C40.1 D2.1 FB2.1 FB4.2 FB5.2 FB6.1 FB7.1 H1.2 H2.2 H3.2 H4.2 H5.2 H6.1 R3.2 R4.2 R5.2 R6.2 R8.2 R13.2 R14.2 U1.B10 U1.D7 U1.E8 U1.E12 U1.F3 U1.F7 U1.F8 U1.F9 U1.F10 U1.G3 U1.G10 U1.H10 U1.J6 U1.J7 U1.K7 U1.L7 U1.L8 U1.L9 U1.L10 U1.N7 U1.N13 U4.2 U5.2 | length 44.3
  Top Layer w0.4: R14.2@50.8,18.1 v1(51.4,18.1) ; R13.2@50.8,25 v1(51.7,25)
  Top Layer w0.45: U1.D7@32,41 v1(32.388,41.388) ; U1.E8@33,42 v1(33.4,42.4) ; U1.E12@33,46 33.44,46.44 v1(33.5,46.5) ; v1(33.5,40.5) U1.F7@34,41 ; v1(33.511,41.511) U1.F8@34,42 ; U1.F9@34,43 34.4,43.4 v1(34.4,43.6) ; U1.F10@34,44 v1(34.5,44.5) ; U1.F3@34.011,37 U1.F3@34,37 v1(34.5,37.5) ; v1@34.506,36.5 35,36.994 U1.G3@35,37 ; U1.G10@35,44 v1(35.5,44.5) ; U1.H10@36,44 v1(36.5,44.5) ; U1.J6@37,40 v1(37.5,40.5) ; U1.J7@37,41 37.3,41.3 v1(37.5,41.3) ; U1.K7@38,41 v1(38.5,40.5) ; U1.L7@39,41 v1(38.6,41.4) 38.6,41.6 U1.L8@39,42 ; U1.L9@39,43 v1(39.5,43.5) ; U1.L10@39,44 v1(39.5,44.5) ; U1.N7@41,41 41,41.124 v1(41.376,41.5)
  Top Layer w0.5: R6.2@50,35 51.3,35 v1(51.4,34.9) ; R4.2@51,34.1 51,34.5 v1(51.4,34.9) ; R3.2@52,34.1 52,34.4 51.5,34.9 v1(51.4,34.9) ; U5.2@55.25,20.96 v1(56.6,20.96) ; R5.2@55.4,27.3 v1@56.189,27.3 ; v3@57.6,30.3 v3(57.6,31.3) ; v1(57.965,23.9) R8.2@58.565,23.9 ; D2.1@60.675,27.7 60.675,29.53 C40.1@60.75,29.605
  Bottom Layer w0.4: v1(34.1,30.4) 34.1,29.575 FB7.1@34.4,29.275 ; v1(34.6,24.8) 35.113,24.8 35.325,25.013 FB6.1@35.325,25.5
  Bottom Layer w0.45: v2(30,44) C21.1@30.6,44 ; C3.1@32,41 v1(32.388,41.388) ; C17.1@32.89,42 32.925,42.035 33.035,42.035 v1(33.4,42.4) ; C2.1@32.99,47 33.01,47 33.5,46.51 v1(33.5,46.5) ; v1(33.5,40.5) 33.55,40.5 34,40.95 34,40.975 34.025,41 C6.1@34.05,41 ; v1(33.511,41.511) C5.1@34,42 ; C16.1@33.89,43 33.91,43 33.945,43.035 33.945,43.055 34.4,43.51 v1(34.4,43.6) ; C20.1@33.89,44.2 33.91,44.2 34.15,44.44 34.333,44.44 34.393,44.5 v1(34.5,44.5) ; C7.1@34.011,37 v1@34.511,37.5 ; v1@34.5,36.5 C10.1@35,37 ; C8.1@35,43.89 35.035,43.925 35.035,44.035 v1(35.5,44.5) ; C9.1@36,43.89 36.035,43.925 36.035,44.035 v1(36.5,44.5) ; C15.1@36.89,39.9 36.91,39.9 37.5,40.49 v1(37.5,40.5) ; C13.1@37,41.11 37,41.13 37.035,41.165 37.365,41.165 v1(37.5,41.3) ; C14.1@38,41 v1(38.5,40.5) ; v1@38.6,41.6 38.975,41.975 C18.1@39,42 ; v1@38.7,41.5 39.055,41.145 39.055,41.035 39.09,41 C19.1@39.11,41 ; C12.1@39,43 v1(39.5,43.5) ; C11.1@39,44 v1(39.5,44.5) ; C4.1@40.4,47.9 40.425,47.875 40.425,47.575 v2(41,47) ; C1.1@41.11,41 41.13,41 41.165,41.035 41.165,41.289 v1(41.376,41.5)
  Bottom Layer w0.5: v1(57.6,32.1) FB5.2@57.6,33.025 ; v1(59.2,32.1) FB4.2@59.2,33.025
  Bottom Layer w0.6: v1(26.4,38.2) FB2.1@27.4,38.2
  other v1: 56.2,27.3 34.5,36.4
  other v3: 57.6,28.9 58.4,28.9 59.2,28.9 57.6,29.7 58.4,29.7 59.2,29.7 57.6,30.487 58.4,30.5 59.2,30.5 58.4,31.3 59.2,31.3 58.4,32.1
ADC0_0: H1.52 U1.E3 | length 23.4
  Top Layer w0.152: v1@32.5,36.521 32.511,36.521 32.99,37 U1.E3@33,37
  Bottom Layer w0.11: 24.13,34.628 24.13,34.841 26.249,36.96 26.799,36.96 26.819,36.98 29.33,36.98 29.333,36.983 31.254,36.983 31.716,36.521 v1@32.5,36.521
  Bottom Layer w0.15: H1.52@19.3,24.05 19.407,24.157 20.157,24.157 24.13,28.13 24.13,34.628
  other v1: 32.5,36.5
ADC0_1: H1.49 U1.C3 | length 24.3
  Top Layer w0.11: U1.C3@31,37 v1(31.6,37.6)
  Bottom Layer w0.11: 24.8,37.4 24.8,37.8 25.207,38.207 25.669,38.207 26.375,37.5 27.5,37.5 27.502,37.498 v1@31.5,37.498
  Bottom Layer w0.15: H1.49@18.03,25.32 18.665,25.955 20.155,25.955 23.35,29.15 23.35,35.243 23.607,35.5 23.607,35.987 24.12,36.5 24.28,36.5 24.8,37.02 24.8,37.4
ADC0_2: H1.48 U1.A4 | length 18.3
  Top Layer w0.11: v1(24.2,37.2) 24.227,37.173 25.784,37.173 26.041,37.43 26.63,37.43 27.2,38 U1.A4@29,38
  Bottom Layer w0.15: H1.48@19.3,26.59 20.19,26.59 23.09,29.49 23.09,35.351 23.347,35.608 23.347,36.347 v1(24.2,37.2)
ADC0_3: H1.43 U1.B5 | length 20.3
  Top Layer w0.11: v1(22.1,35.3) 21.857,35.543 21.857,36.257 23.4,37.8 24.343,37.8 24.75,37.393 25.693,37.393 25.95,37.65 26.45,37.65 27.19,38.39 29.39,38.39 U1.B5@30,39
  Int2 (PWR) w0.15: H1.43@18.03,29.13 18.665,29.765 21.765,29.765 22.09,30.09 22.09,35.29 v1(22.1,35.3)
ADC0_4: H1.45 U1.C6 | length 21.8
  Top Layer w0.11: v1(24.6,39.2) 24.9,39.5 27.69,39.5 27.8,39.39 29.39,39.39 29.61,39.61 30.21,39.61 30.6,40 U1.C6@31,40
  Bottom Layer w0.15: H1.45@18.03,27.86 18.08,27.86 18.715,28.495 20.195,28.495 21.673,29.973 21.673,35.877 22.974,37.178 22.974,37.474 24.35,38.85 24.35,38.869 24.6,39.119 v1(24.6,39.2)
ADC0_5: H1.56 U1.B3 | length 21.6
  Top Layer w0.11: v1(26,35.1) 27.317,35.1 28.607,36.39 29.29,36.39 29.784,36.884 29.792,36.884 29.908,37 U1.B3@30,37
  Bottom Layer w0.15: H1.56@19.3,21.51 20.11,21.51 25.17,26.57 25.17,33.67 26,34.5 v1(26,35.1)
ADC0_6: H1.46 U1.A5 | length 17.9
  Top Layer w0.11: v1(25.4,39) U1.A5@29,39
  Bottom Layer w0.11: 23.274,37.09 23.573,37.388 23.573,37.52 25.01,38.957 25.266,38.957 v1@25.309,39
  Bottom Layer w0.15: H1.46@19.3,27.86 20.16,27.86 22.57,30.27 22.57,35.566 22.827,35.823 22.827,36.642 23.274,37.09
ADC0_7: H1.50 U1.C5 | length 21.9
  Top Layer w0.11: v1(24.1,35.8) 24.1,36.2 24.633,36.733 25.966,36.733 26.223,36.99 27.09,36.99 27.29,37.19 28.638,37.19 28.838,37.39 29.401,37.39 29.621,37.61 30.162,37.61 30.39,37.838 30.39,38.253 30.72,38.583 30.72,38.72 U1.C5@31,39
  Bottom Layer w0.15: H1.50@19.3,25.32 20.12,25.32 23.61,28.81 23.61,35.059 24.026,35.476 24.026,35.826 24.1,35.753 v1(24.1,35.8)
CLK1: H4.26 U1.T10 | length 26.2
  Top Layer w0.152: U1.T10@44,44 46,44 v1(46.5,44.5)
  Bottom Layer w0.15: 57.7,40.5 58.275,39.925 61.335,39.925 H4.26@61.97,40.56
  Bottom Layer w0.152: v1(46.5,44.5) 46.5,45 48.9,47.4 56.2,47.4 57.7,45.9 57.7,40.5
CLK2: H3.27 U1.D14 | length 25.1
  Top Layer w0.11: U1.D14@32,48 31.39,48.61 31.39,49.21 31.21,49.39 30.747,49.39 30.39,49.747 30.39,51.153 34.107,54.869 34.33,55.092 44.362,55.092 44.825,55.555 44.825,59.365 H3.27@44.19,60
CLK3: H4.19 U1.P12 | length 22.4
  Bottom Layer w0.15: 44.5,46.5 46.9,48.9 56.115,48.9 59.1,45.915 59.1,44.8 59.53,44.37 H4.19@60.7,44.37
  Bottom Layer w0.152: v2(42,46) 43.2,46 43.7,46.5 44.5,46.5
D_N: J1.2 J3.2 U3.13 | length 19
  Top Layer w0.178: J3.2@35.15,22.21 35.15,22.001 35.691,21.46 35.838,21.46 36.167,21.789 36.167,22.919 35.25,23.836 U3.13@35.25,25.59
  Bottom Layer w0.178: J1.2@23.6,20.3 23.6,20.494 24.021,20.915 24.021,21.431 24.648,22.058 32.931,22.058 33.5,21.489 34.429,21.489 J3.2@35.15,22.21
D_P: J1.3 J3.3 U3.14 | length 18.9
  Top Layer w0.178: J3.3@35.15,20.21 35.15,20.419 35.691,20.96 36.045,20.96 36.667,21.582 36.667,23.126 35.75,24.043 U3.14@35.75,25.59
  Bottom Layer w0.178: J1.3@25,20.3 25,20.494 24.579,20.915 24.579,21.2 24.879,21.5 32.7,21.5 33.269,20.931 34.429,20.931 J3.3@35.15,20.21
DBGEN: TP2.1 U1.L4 | length 16.3
  Top Layer w0.152: U1.L4@39,38 v1@39.4,38.4 ; v1(44.1,30.5) TP2.1@49.3,30.5
  Bottom Layer w0.152: v1(39.5,38.4) 40.439,37.461 41.605,37.461 42.461,36.605 42.461,36.405 43.613,35.252 43.613,33.625 44.1,33.138 v1(44.1,30.5)
DUT1_EN: H5.15 U1.R6 U5.3 | length 36.6
  Top Layer w0.11: U1.R6@43,40 v1(43.5,40.5)
  Top Layer w0.15: H5.15@54.16,16.27 54.16,22.06 54.3,22.2 55.22,22.2 U5.3@55.25,22.23
  Bottom Layer w0.15: 49.14,23.522 54.16,18.502 H5.15@54.16,16.27
  Bottom Layer w0.152: v1(43.5,40.5) 44.081,40.5 45.473,39.108 45.473,38.22 47.186,36.507 47.186,31.076 49.14,29.122 49.14,23.522
DUT1_FLG: H5.19 R14.1 U1.T2 U5.8 | length 29.2
  Top Layer w0.15: R14.1@49.8,18.1 49.8,17.788 49.888,17.7 49.9,17.7 50,17.6 51.4,17.6 51.62,17.38 H5.19@51.62,16.27
  Top Layer w0.152: U1.T2@44,36 v1(45.9,36)
  Top Layer w0.3: R14.1@49.8,18.1 U5.8@49.8,19.69
  Bottom Layer w0.152: v1(45.9,36) 45.9,35.405 46.138,35.167 46.138,30.624 48.078,28.684 48.078,23.082 51.828,19.332 51.828,17.923 51.62,17.715 H5.19@51.62,16.27
DUT1_VBUS: J1.1 R12.1 U5.7 | length 44.9
  Top Layer w0.15: R12.1@41.6,23.9 42.4,23.9 42.9,23.4 47.9,23.4 48.4,22.9 50.9,22.9 51.2,22.6 51.2,21.3 50.866,20.966 50.866,20.96 U5.7@49.8,20.96
  Top Layer w0.6: J1.1@22.2,20.3 22.2,21.4 23.4,22.6 29.367,22.6 33.467,18.5 39.5,18.5 41.96,20.96 U5.7@49.8,20.96
DUT2_EN: H5.16 U1.T6 U5.4 | length 39.5
  Top Layer w0.15: H5.16@54.16,15 53.525,15.635 53.525,23.225 53.8,23.5 U5.4@55.25,23.5
  Bottom Layer w0.15: 53.525,17.158 53.525,15.635 H5.16@54.16,15
  Bottom Layer w0.152: v2(44,40) 45.211,38.789 45.211,38.112 46.924,36.399 46.924,30.968 48.878,29.014 48.878,23.414 53.525,18.767 53.525,17.158
DUT2_FLG: H5.21 R13.1 U1.P6 U5.5 | length 41.6
  Top Layer w0.15: U5.5@49.8,23.5 51.1,23.5 51.6,23 51.6,20.752 51.148,20.3 48.8,20.3 48.5,20 48.5,18.2 49.4,17.3 50.133,17.3 50.365,17.068 50.365,16.285 H5.21@50.35,16.27
  Top Layer w0.3: U5.5@49.8,23.5 R13.1@49.8,25
  Bottom Layer w0.15: 45.21,34.885 45.21,34.883 45.615,34.478 45.615,30.404 47.555,28.464 47.555,22.866 50.35,20.07 H5.21@50.35,16.27
  Bottom Layer w0.152: v2(42,40) 43,39 43,38.1 43.6,37.5 44.2,37.5 44.489,37.211 44.489,36.711 45.21,35.99 45.21,34.885
DUT2_VBUS: J3.1 U5.6 | length 12.2
  Top Layer w0.3: U5.6@49.78,22.21 U5.6@49.8,22.23
  Top Layer w0.6: J3.1@37.65,22.21 U5.6@49.78,22.21
EMC_A0: U1.H16 U2.H7 | length 25.4
  Top Layer w0.152: v1(51.3,45.3) U2.H7@51.7,44.9
  Int2 (PWR) w0.152: v2(36,50) 36,50.581 37.47,52.051 46.59,52.051 46.849,51.792 46.956,51.685 47.171,51.47 47.343,51.298 ccw(c47.386,51.341) 47.429,51.298 47.544,51.413 cw(c47.587,51.37) 47.63,51.413 47.759,51.284 cw(c47.716,51.241) 47.759,51.198 47.644,51.083 ccw(c47.687,51.04) 47.644,50.997 47.773,50.868 ccw(c47.816,50.911) 47.859,50.868 47.974,50.983 cw(c48.017,50.94) 48.06,50.983 48.189,50.854 cw(c48.146,50.811) 48.189,50.768 48.074,50.653 ccw(c48.117,50.61) 48.074,50.567 48.203,50.438 ccw(c48.246,50.481) 48.289,50.438 48.404,50.553 cw(c48.447,50.51) 48.49,50.553 48.619,50.424 cw(c48.576,50.381) 48.619,50.338 48.504,50.223 ccw(c48.547,50.18) 48.504,50.137 48.633,50.008 ccw(c48.676,50.051) 48.719,50.008 48.834,50.123 cw(c48.877,50.08) 48.92,50.123 49.049,49.994 cw(c49.006,49.951) 49.049,49.908 48.934,49.793 ccw(c48.977,49.75) 48.934,49.707 49.411,49.23 49.999,48.642 49.999,46.601 50.267,46.333 50.431,46.169 ccw(c50.481,46.219) 50.53,46.169 50.789,46.428 cw(c50.839,46.378) 50.889,46.428 51.038,46.279 cw(c50.988,46.229) 51.038,46.179 50.729,45.871 50.19,45.331 ccw(c50.24,45.282) 50.19,45.232 50.34,45.083 ccw(c50.39,45.132) 50.439,45.083 50.929,45.572 cw(c50.978,45.522) 51.028,45.572 51.103,45.497 v1(51.3,45.3)
EMC_A1: U1.G16 U2.H8 | length 25.4
  Top Layer w0.152: v1(50.5,46.8) 50.5,45.5 50.853,45.147 50.853,44.947 U2.H8@50.9,44.9
  Int2 (PWR) w0.152: v2(35,50) 35.024,50 37.354,52.33 47.17,52.33 47.41,52.09 47.474,52.026 ccw(c47.517,52.069) 47.56,52.026 47.676,52.142 cw(c47.719,52.099) 47.762,52.142 47.891,52.013 cw(c47.848,51.97) 47.891,51.927 47.775,51.811 ccw(c47.818,51.768) 47.775,51.725 47.947,51.553 48.162,51.338 48.264,51.236 48.371,51.129 48.543,50.957 ccw(c48.586,51) 48.629,50.957 48.745,51.073 cw(c48.788,51.03) 48.831,51.073 48.96,50.944 cw(c48.917,50.901) 48.96,50.858 48.844,50.742 ccw(c48.887,50.699) 48.844,50.656 48.973,50.527 ccw(c49.016,50.57) 49.059,50.527 49.175,50.643 cw(c49.218,50.6) 49.261,50.643 49.39,50.514 cw(c49.347,50.471) 49.39,50.428 49.274,50.312 ccw(c49.317,50.269) 49.274,50.226 49.446,50.054 49.661,49.839 49.8,49.7 49.907,49.593 50.122,49.378 50.337,49.163 50.5,49 50.5,48.848 50.5,48.605 ccw(c50.561,48.605) 50.561,48.544 50.759,48.544 cw(c50.759,48.483) 50.82,48.483 50.82,48.301 cw(c50.759,48.301) 50.759,48.24 50.5,48.24 50.339,48.24 ccw(c50.339,48.179) 50.279,48.179 50.279,47.997 ccw(c50.339,47.997) 50.339,47.936 50.5,47.936 50.759,47.936 cw(c50.759,47.875) 50.82,47.875 50.82,47.693 cw(c50.759,47.693) 50.759,47.632 50.5,47.632 50.339,47.632 ccw(c50.339,47.571) 50.279,47.571 50.279,47.389 ccw(c50.339,47.389) 50.339,47.328 50.439,47.328 cw(c50.439,47.267) 50.5,47.267 50.5,47.2 v1(50.5,46.8)
EMC_A2: U1.F16 U2.J8 | length 25.4
  Top Layer w0.152: U2.J8@50.9,45.7 50.9,46.562 51.1,46.762 v1(51.1,46.8)
  Int2 (PWR) w0.152: v2(34,50) 34.638,50.638 35.268,50.638 37.239,52.609 47.691,52.609 47.957,52.343 48.105,52.195 48.17,52.13 ccw(c48.213,52.173) 48.256,52.13 48.313,52.188 cw(c48.356,52.145) 48.399,52.188 48.528,52.059 cw(c48.485,52.016) 48.528,51.973 48.428,51.872 48.277,51.722 ccw(c48.32,51.679) 48.277,51.636 48.406,51.507 ccw(c48.449,51.55) 48.492,51.507 48.643,51.657 48.743,51.758 cw(c48.786,51.715) 48.829,51.758 48.958,51.629 cw(c48.915,51.586) 48.958,51.543 48.901,51.485 ccw(c48.944,51.442) 48.901,51.399 49.03,51.27 ccw(c49.073,51.313) 49.116,51.27 49.173,51.328 cw(c49.216,51.285) 49.259,51.328 49.388,51.199 cw(c49.345,51.156) 49.388,51.113 49.331,51.055 ccw(c49.374,51.012) 49.331,50.969 49.46,50.84 ccw(c49.503,50.883) 49.545,50.84 49.603,50.898 cw(c49.646,50.855) 49.689,50.898 49.818,50.769 cw(c49.775,50.726) 49.818,50.683 49.717,50.583 49.707,50.572 ccw(c49.75,50.529) 49.707,50.486 49.836,50.357 ccw(c49.879,50.4) 49.922,50.357 49.932,50.368 50.033,50.468 cw(c50.076,50.425) 50.119,50.468 50.248,50.339 cw(c50.205,50.296) 50.248,50.253 50.19,50.196 ccw(c50.233,50.153) 50.19,50.11 50.405,49.895 50.513,49.787 50.728,49.572 50.943,49.357 51.1,49.2 v1(51.1,46.8)
EMC_A3: U1.E15 U2.J7 | length 25.8
  Top Layer w0.152: U2.J7@51.7,45.7 v1(51.7,46.8)
  Int2 (PWR) w0.152: v2(33,49) 33,49.77 34.13,50.9 35.135,50.9 37.123,52.888 48.112,52.888 51.7,49.3 v1(51.7,46.8)
EMC_A4: U1.C16 U2.J3 | length 29.3
  Top Layer w0.152: U1.C16@31,50 v1@31.4,50.4 ; v2(54.5,46) 54.6,46 U2.J3@54.9,45.7
  Int2 (PWR) w0.152: v1@31.4,50.4 v1(31.5,50.5) 32.9,51.9 35.346,51.9 36.892,53.446 48.354,53.446 54.5,47.3 v2(54.5,46)
EMC_A5: U1.P2 U2.J2 | length 27.6
  Top Layer w0.152: U1.P2@42,36 42.5,35.5 43.2,35.5 43.5,35.2 43.5,34.75 43.85,34.4 46.9,34.4 48.1,35.6 55.6,35.6 v1(56,36) ; v1@55.305,46.095 U2.J2@55.695,45.705
  Int2 (PWR) w0.152: v1(55.305,46.065) 55.335,46.065 56.077,45.323 56.371,45.323 56.672,45.023 56.923,44.772 57.086,44.609 57.086,43.086 56,42 v1(56,36)
EMC_A6: U1.R2 U2.H3 | length 25.3
  Top Layer w0.152: U1.R2@43,36 43.057,35.943 43.257,35.943 43.7,35.5 46.521,35.5 47.121,36.1 v1(55.3,36.1) ; U2.H3@54.89,44.91 v1(55.29,44.51)
  Int2 (PWR) w0.152: v1(55.29,44.51) 55.78,45 56.3,45 56.393,44.907 56.807,44.493 56.807,43.207 55.7,42.1 55.7,39.933 55.7,37.809 55.7,37.528 cw(c55.63,37.528) 55.63,37.457 55.215,37.457 ccw(c55.215,37.387) 55.145,37.387 55.145,37.176 ccw(c55.215,37.176) 55.215,37.105 55.63,37.105 cw(c55.63,37.035) 55.7,37.035 55.7,36.929 55.7,36.6 55.3,36.2 v1(55.3,36.1)